# Allegro board S071AA-0413-20260427_Power3.brd (continued)
## Routing (per net, layer and track width the routed paths; a pad name or vN(x,y) marks a point on that pad's centre or on a via; arc(x,y) is an arc through that point) (continued)
; UHC230.G4_10 16.54,350.04 ; UHC230.G4_10 15.73,349.23 ; UHC230.G4_10 14.92,350.04 ; 261.89,32.21 D108.A11 ; D108.A11 261.89,33.83 ; D108.A11 261.08,33.02 ; D108.A11 262.7,33.02 ; DPS3.A15 124.73,14.78 ; DPS3.A15 125.54,13.97 ; DPS3.A15 123.92,13.97 ; DPS3.A15 124.73,13.16 ; D106.B9 256.81,79.55 ; D106.B9 256.81,77.93 ; D106.B9 256,78.74 ; D106.B9 257.62,78.74 ; D120.B16 54.42,40.64 ; D120.B16 53.61,39.83 ; D120.B16 52.8,40.64 ; D120.B16 53.61,41.45 ; D110.A2 275.4,353.06 ; D110.A2 274.59,353.87 ; D110.A2 273.78,353.06 ; D110.A2 274.59,352.25 ; 195.85,347.17 D114.B4 ; D114.B4 196.66,347.98 ; D114.B4 195.85,348.79 ; D114.B4 195.04,347.98 ; 25.67,98.25 D117.B5 ; D117.B5 26.48,99.06 ; D117.B5 24.86,99.06 ; D117.B5 25.67,99.87 ; DPS2.C05 194.12,410.21 ; DPS2.C05 192.5,410.21 ; DPS2.C05 193.31,411.02 ; DPS2.C05 193.31,409.4 ; 188.23,32.21 D104.A11 ; D104.A11 188.23,33.83 ; D104.A11 187.42,33.02 ; D104.A11 189.04,33.02 ; 96.79,367.49 D227.B14 ; D227.B14 97.6,368.3 ; D227.B14 96.79,369.11 ; D227.B14 95.98,368.3 ; 129,391.16 D228.B1 ; D228.B1 129.81,391.97 ; D228.B1 130.62,391.16 ; D228.B1 129.81,390.35 ; D120.A4 23.13,36.37 ; D120.A4 22.32,35.56 ; D120.A4 23.94,35.56 ; D120.A4 23.13,34.75 ; UHC430.G1_13 14.58,359.26 ; UHC430.G1_13 13.77,358.45 ; UHC430.G1_13 14.58,357.64 ; UHC430.G1_13 15.39,358.45 ; D102.A14 196.66,76.2 ; D102.A14 195.04,76.2 ; D102.A14 195.85,77.01 ; D102.A14 195.85,75.39 ; D112.B12 250,388.62 ; D112.B12 249.19,389.43 ; D112.B12 249.19,387.81 ; D112.B12 248.38,388.62 ; 198.39,375.11 D115.A3 ; D115.A3 198.39,376.73 ; D115.A3 197.58,375.92 ; D115.A3 199.2,375.92 ; D232.A4 48.53,394.51 ; D232.A4 47.72,393.7 ; D232.A4 49.34,393.7 ; D232.A4 48.53,392.89 ; 124.73,72.85 D122.A15 ; D122.A15 123.92,73.66 ; D122.A15 125.54,73.66 ; D122.A15 124.73,74.47 ; 48.98,350.98 UHC230.G3_6 ; UHC230.G3_6 48.98,352.6 ; UHC230.G3_6 48.17,351.79 ; UHC230.G3_6 49.79,351.79 ; D115.A15 167.91,376.73 ; D115.A15 167.91,375.11 ; D115.A15 168.72,375.92 ; D115.A15 167.1,375.92 ; D113.B5 194.12,330.2 ; D113.B5 192.5,330.2 ; D113.B5 193.31,331.01 ; D113.B5 193.31,329.39 ; 35.02,406.4 D432.A9 ; D432.A9 35.83,407.21 ; D432.A9 36.64,406.4 ; D432.A9 35.83,405.59 ; D110.B1 277.13,351.33 ; D110.B1 277.94,350.52 ; D110.B1 276.32,350.52 ; D110.B1 277.13,349.71 ; D112.B8 259.35,389.43 ; D112.B8 258.54,388.62 ; D112.B8 259.35,387.81 ; D112.B8 260.16,388.62 ; 116.3,398.78 D428.B6 ; D428.B6 117.11,397.97 ; D428.B6 117.92,398.78 ; D428.B6 117.11,399.59 ; D115.A12 175.53,374.19 ; D115.A12 176.34,373.38 ; D115.A12 174.72,373.38 ; D115.A12 175.53,372.57 ; 32.48,403.86 D432.A10 ; D432.A10 33.29,404.67 ; D432.A10 33.29,403.05 ; D432.A10 34.1,403.86 ; D120.A5 25.67,33.83 ; D120.A5 25.67,32.21 ; D120.A5 26.48,33.02 ; D120.A5 24.86,33.02 ; UHC430.G1_2 17.69,365.45 ; UHC430.G1_2 16.88,366.26 ; UHC430.G1_2 16.88,364.64 ; UHC430.G1_2 16.07,365.45 ; 20.59,329.39 CSDPS229.C15 ; CSDPS229.C15 19.78,330.2 ; CSDPS229.C15 21.4,330.2 ; CSDPS229.C15 20.59,331.01 ; 113.76,375.92 D227.A7 ; D227.A7 115.38,375.92 ; D227.A7 114.57,376.73 ; D227.A7 114.57,375.11 ; CSDPS429.B6 43.45,343.71 ; CSDPS429.B6 43.45,342.09 ; CSDPS429.B6 44.26,342.9 ; CSDPS429.B6 42.64,342.9 ; 24.86,53.34 D119.A5 ; D119.A5 26.48,53.34 ; D119.A5 25.67,52.53 ; D119.A5 25.67,54.15 ; 251.73,98.25 D105.B7 ; D105.B7 250.92,99.06 ; D105.B7 251.73,99.87 ; D105.B7 252.54,99.06 ; 111.22,60.96 D123.B10 ; D123.B10 112.03,61.77 ; D123.B10 112.03,60.15 ; D123.B10 112.84,60.96 ; 239.03,347.17 D110.B16 ; D110.B16 239.03,348.79 ; D110.B16 238.22,347.98 ; D110.B16 239.84,347.98 ; 99.33,77.93 D122.B5 ; D122.B5 98.52,78.74 ; D122.B5 99.33,79.55 ; D122.B5 100.14,78.74 ; 45.99,375.11 D231.A5 ; D231.A5 46.8,375.92 ; D231.A5 45.99,376.73 ; D231.A5 45.18,375.92 ; D432.A2 53.61,404.67 ; D432.A2 52.8,403.86 ; D432.A2 53.61,403.05 ; D432.A2 54.42,403.86 ; 103.6,58.42 D123.B7 ; D123.B7 104.41,59.23 ; D123.B7 105.22,58.42 ; D123.B7 104.41,57.61 ; 43.45,75.39 D118.A12 ; D118.A12 44.26,76.2 ; D118.A12 43.45,77.01 ; D118.A12 42.64,76.2 ; D431.A16 18.86,383.54 ; D431.A16 18.05,382.73 ; D431.A16 17.24,383.54 ; D431.A16 18.05,384.35 ; D432.A14 23.94,403.86 ; D432.A14 23.13,404.67 ; D432.A14 22.32,403.86 ; D432.A14 23.13,403.05 ; 20.59,400.51 D432.B15 ; D432.B15 19.78,401.32 ; D432.B15 20.59,402.13 ; D432.B15 21.4,401.32 ; D117.A15 51.88,93.98 ; D117.A15 51.07,94.79 ; D117.A15 51.07,93.17 ; D117.A15 50.26,93.98 ; D122.B7 105.22,78.74 ; D122.B7 104.41,79.55 ; D122.B7 104.41,77.93 ; D122.B7 103.6,78.74 ; D114.A13 172.99,356.41 ; D114.A13 172.99,354.79 ; D114.A13 173.8,355.6 ; D114.A13 172.18,355.6 ; 45.18,391.16 D232.B5 ; D232.B5 46.8,391.16 ; D232.B5 45.99,390.35 ; D232.B5 45.99,391.97 ; CSDPS429.C15 20.59,341.17 ; CSDPS429.C15 20.59,339.55 ; CSDPS429.C15 21.4,340.36 ; CSDPS429.C15 19.78,340.36 ; D228.A13 99.33,397.05 ; D228.A13 99.33,395.43 ; D228.A13 98.52,396.24 ; D228.A13 100.14,396.24 ; 101.87,392.89 D228.A12 ; D228.A12 101.87,394.51 ; D228.A12 102.68,393.7 ; D228.A12 101.06,393.7 ; 29.94,412.75 DPS8.B11 ; DPS8.B11 31.56,412.75 ; DPS8.B11 30.75,413.56 ; DPS8.B11 30.75,411.94 ; D102.A10 186.5,76.2 ; D102.A10 184.88,76.2 ; D102.A10 185.69,75.39 ; D102.A10 185.69,77.01 ; D113.B2 200.93,328.47 ; D113.B2 200.93,326.85 ; D113.B2 200.12,327.66 ; D113.B2 201.74,327.66 ; 113.76,99.06 D121.B11 ; D121.B11 115.38,99.06 ; D121.B11 114.57,98.25 ; D121.B11 114.57,99.87 ; 19.78,73.66 D118.A3 ; D118.A3 20.59,72.85 ; D118.A3 21.4,73.66 ; D118.A3 20.59,74.47 ; 104.41,72.85 D122.A7 ; D122.A7 105.22,73.66 ; D122.A7 104.41,74.47 ; D122.A7 103.6,73.66 ; 256,33.02 D108.A9 ; D108.A9 256.81,33.83 ; D108.A9 256.81,32.21 ; D108.A9 257.62,33.02 ; 197.58,396.24 D116.A3 ; D116.A3 199.2,396.24 ; D116.A3 198.39,397.05 ; D116.A3 198.39,395.43 ; 274.59,55.07 D107.A16 ; D107.A16 275.4,55.88 ; D107.A16 274.59,56.69 ; D107.A16 273.78,55.88 ; D106.B10 260.16,81.28 ; D106.B10 259.35,80.47 ; D106.B10 259.35,82.09 ; D106.B10 258.54,81.28 ; 95.98,35.56 D124.A4 ; D124.A4 96.79,34.75 ; D124.A4 96.79,36.37 ; D124.A4 97.6,35.56 ; D105.B10 260.16,101.6 ; D105.B10 259.35,102.41 ; D105.B10 258.54,101.6 ; D105.B10 259.35,100.79 ; D122.A3 95.06,73.66 ; D122.A3 93.44,73.66 ; D122.A3 94.25,72.85 ; D122.A3 94.25,74.47 ; 101.06,81.28 D122.B6 ; D122.B6 102.68,81.28 ; D122.B6 101.87,82.09 ; D122.B6 101.87,80.47 ; 190.77,80.47 D102.B12 ; D102.B12 190.77,82.09 ; D102.B12 191.58,81.28 ; D102.B12 189.96,81.28 ; D116.A14 170.45,394.51 ; D116.A14 169.64,393.7 ; D116.A14 170.45,392.89 ; D116.A14 171.26,393.7 ; D228.B2 128.08,388.62 ; D228.B2 127.27,389.43 ; D228.B2 127.27,387.81 ; D228.B2 126.46,388.62 ; 103.6,53.34 D123.A7 ; D123.A7 104.41,52.53 ; D123.A7 104.41,54.15 ; D123.A7 105.22,53.34 ; D101.A12 190.77,97.33 ; D101.A12 190.77,95.71 ; D101.A12 191.58,96.52 ; D101.A12 189.96,96.52 ; D118.A11 41.72,73.66 ; D118.A11 40.91,74.47 ; D118.A11 40.91,72.85 ; D118.A11 40.1,73.66 ; D431.A17 15.51,386.89 ; D431.A17 14.7,386.08 ; D431.A17 15.51,385.27 ; D431.A17 16.32,386.08 ; 195.85,39.83 D104.B14 ; D104.B14 195.85,41.45 ; D104.B14 195.04,40.64 ; D104.B14 196.66,40.64 ; D107.B2 239.84,60.96 ; D107.B2 239.03,61.77 ; D107.B2 238.22,60.96 ; D107.B2 239.03,60.15 ; D228.B11 104.41,391.97 ; D228.B11 105.22,391.16 ; D228.B11 104.41,390.35 ; D228.B11 103.6,391.16 ; 17.24,76.2 D118.A2 ; D118.A2 18.05,77.01 ; D118.A2 18.05,75.39 ; D118.A2 18.86,76.2 ; 198.39,32.21 D104.A15 ; D104.A15 199.2,33.02 ; D104.A15 197.58,33.02 ; D104.A15 198.39,33.83 ; 14.7,396.24 D232.A17 ; D232.A17 16.32,396.24 ; D232.A17 15.51,397.05 ; D232.A17 15.51,395.43 ; 14.58,354.48 UHC230.G4_3 ; UHC230.G4_3 13.77,355.29 ; UHC230.G4_3 14.58,356.1 ; UHC230.G4_3 15.39,355.29 ; D124.A10 112.03,36.37 ; D124.A10 112.03,34.75 ; D124.A10 111.22,35.56 ; D124.A10 112.84,35.56 ; 89.17,13.16 DPS3.A01 ; DPS3.A01 88.36,13.97 ; DPS3.A01 89.17,14.78 ; DPS3.A01 89.98,13.97 ; D119.B5 26.48,58.42 ; D119.B5 24.86,58.42 ; D119.B5 25.67,57.61 ; D119.B5 25.67,59.23 ; DPS1.B05 247.46,16.51 ; DPS1.B05 246.65,15.7 ; DPS1.B05 246.65,17.32 ; DPS1.B05 245.84,16.51 ; 48.53,403.05 D432.A4 ; D432.A4 47.72,403.86 ; D432.A4 49.34,403.86 ; D432.A4 48.53,404.67 ; 272.05,18.24 DPS1.C15 ; DPS1.C15 272.05,19.86 ; DPS1.C15 271.24,19.05 ; DPS1.C15 272.86,19.05 ; 95.98,363.22 CSDPS426.B14 ; CSDPS426.B14 97.6,363.22 ; CSDPS426.B14 96.79,364.03 ; CSDPS426.B14 96.79,362.41 ; D111.A15 241.57,376.73 ; D111.A15 240.76,375.92 ; D111.A15 242.38,375.92 ; D111.A15 241.57,375.11 ; 18.05,100.79 D117.B2 ; D117.B2 18.05,102.41 ; D117.B2 18.86,101.6 ; D117.B2 17.24,101.6 ; 169.64,368.3 D115.B14 ; D115.B14 170.45,369.11 ; D115.B14 171.26,368.3 ; D115.B14 170.45,367.49 ; 167.91,37.29 D104.B3 ; D104.B3 167.1,38.1 ; D104.B3 168.72,38.1 ; D104.B3 167.91,38.91 ; D124.A2 92.52,35.56 ; D124.A2 91.71,36.37 ; D124.A2 91.71,34.75 ; D124.A2 90.9,35.56 ; D428.B8 112.84,398.78 ; D428.B8 112.03,397.97 ; D428.B8 111.22,398.78 ; D428.B8 112.03,399.59 ; CSDPS229.B4 49.34,332.74 ; CSDPS229.B4 48.53,333.55 ; CSDPS229.B4 47.72,332.74 ; CSDPS229.B4 48.53,331.93 ; 45.99,409.4 DPS8.C05 ; DPS8.C05 45.99,411.02 ; DPS8.C05 45.18,410.21 ; DPS8.C05 46.8,410.21 ; 180.61,34.75 D104.A8 ; D104.A8 181.42,35.56 ; D104.A8 180.61,36.37 ; D104.A8 179.8,35.56 ; 55.34,401.32 D432.B1 ; D432.B1 56.15,400.51 ; D432.B1 56.96,401.32 ; D432.B1 56.15,402.13 ; 188.23,37.29 D104.B11 ; D104.B11 187.42,38.1 ; D104.B11 188.23,38.91 ; D104.B11 189.04,38.1 ; D106.B13 266.97,79.55 ; D106.B13 266.97,77.93 ; D106.B13 266.16,78.74 ; D106.B13 267.78,78.74 ; D122.B4 97.6,81.28 ; D122.B4 95.98,81.28 ; D122.B4 96.79,80.47 ; D122.B4 96.79,82.09 ; D105.A9 257.62,93.98 ; D105.A9 256,93.98 ; D105.A9 256.81,93.17 ; D105.A9 256.81,94.79 ; 165.37,347.17 D114.B16 ; D114.B16 165.37,348.79 ; D114.B16 164.56,347.98 ; D114.B16 166.18,347.98 ; 198.39,77.93 D102.B15 ; D102.B15 199.2,78.74 ; D102.B15 197.58,78.74 ; D102.B15 198.39,79.55 ; 117.11,387.81 D228.B6 ; D228.B6 117.11,389.43 ; D228.B6 116.3,388.62 ; D228.B6 117.92,388.62 ; D231.A11 30.75,376.73 ; D231.A11 31.56,375.92 ; D231.A11 30.75,375.11 ; D231.A11 29.94,375.92 ; D432.A5 45.99,407.21 ; D432.A5 45.18,406.4 ; D432.A5 45.99,405.59 ; D432.A5 46.8,406.4 ; 124.73,375.11 D227.A3 ; D227.A3 124.73,376.73 ; D227.A3 123.92,375.92 ; D227.A3 125.54,375.92 ; D117.A16 54.42,96.52 ; D117.A16 53.61,95.71 ; D117.A16 52.8,96.52 ; D117.A16 53.61,97.33 ; 261.08,73.66 D106.A11 ; D106.A11 261.89,74.47 ; D106.A11 261.89,72.85 ; D106.A11 262.7,73.66 ; 119.65,395.43 D228.A5 ; D228.A5 118.84,396.24 ; D228.A5 120.46,396.24 ; D228.A5 119.65,397.05 ; D432.B4 48.53,399.59 ; D432.B4 48.53,397.97 ; D432.B4 49.34,398.78 ; D432.B4 47.72,398.78 ; D102.A15 199.2,73.66 ; D102.A15 197.58,73.66 ; D102.A15 198.39,74.47 ; D102.A15 198.39,72.85 ; CSDPS229.B2 54.42,332.74 ; CSDPS229.B2 53.61,333.55 ; CSDPS229.B2 52.8,332.74 ; CSDPS229.B2 53.61,331.93 ; 52.8,81.28 D118.B16 ; D118.B16 53.61,82.09 ; D118.B16 54.42,81.28 ; D118.B16 53.61,80.47 ; D428.A1 129.81,407.21 ; D428.A1 129,406.4 ; D428.A1 130.62,406.4 ; D428.A1 129.81,405.59 ; D431.A15 20.59,386.89 ; D431.A15 21.4,386.08 ; D431.A15 19.78,386.08 ; D431.A15 20.59,385.27 ; D232.B7 41.72,391.16 ; D232.B7 40.1,391.16 ; D232.B7 40.91,391.97 ; D232.B7 40.91,390.35 ; 243.3,96.52 D105.A4 ; D105.A4 244.92,96.52 ; D105.A4 244.11,95.71 ; D105.A4 244.11,97.33 ; D432.B17 15.51,402.13 ; D432.B17 14.7,401.32 ; D432.B17 15.51,400.51 ; D432.B17 16.32,401.32 ; 113.76,33.02 D124.A11 ; D124.A11 114.57,33.83 ; D124.A11 114.57,32.21 ; D124.A11 115.38,33.02 ; 98.52,58.42 D123.B5 ; D123.B5 100.14,58.42 ; D123.B5 99.33,57.61 ; D123.B5 99.33,59.23 ; D119.B4 23.13,61.77 ; D119.B4 23.94,60.96 ; D119.B4 23.13,60.15 ; D119.B4 22.32,60.96 ; 47.72,378.46 D431.B4 ; D431.B4 48.53,379.27 ; D431.B4 48.53,377.65 ; D431.B4 49.34,378.46 ; 167.1,396.24 D116.A15 ; D116.A15 167.91,395.43 ; D116.A15 168.72,396.24 ; D116.A15 167.91,397.05 ; D102.A5 172.99,74.47 ; D102.A5 173.8,73.66 ; D102.A5 172.18,73.66 ; D102.A5 172.99,72.85 ; 44.72,353.54 UHC230.G3_5 ; UHC230.G3_5 45.53,352.73 ; UHC230.G3_5 45.53,354.35 ; UHC230.G3_5 46.34,353.54 ; 272.05,370.03 D111.B3 ; D111.B3 272.86,370.84 ; D111.B3 272.05,371.65 ; D111.B3 271.24,370.84 ; 101.87,362.41 CSDPS426.B12 ; CSDPS426.B12 102.68,363.22 ; CSDPS426.B12 101.87,364.03 ; CSDPS426.B12 101.06,363.22 ; 179.8,327.66 D113.B10 ; D113.B10 180.61,326.85 ; D113.B10 180.61,328.47 ; D113.B10 181.42,327.66 ; 20.59,37.29 D120.B3 ; D120.B3 19.78,38.1 ; D120.B3 20.59,38.91 ; D120.B3 21.4,38.1 ; 27.4,96.52 D117.A6 ; D117.A6 28.21,97.33 ; D117.A6 28.21,95.71 ; D117.A6 29.02,96.52 ; D102.B14 195.85,82.09 ; D102.B14 195.04,81.28 ; D102.B14 196.66,81.28 ; D102.B14 195.85,80.47 ; 106.95,397.97 D428.B10 ; D428.B10 106.14,398.78 ; D428.B10 107.76,398.78 ; D428.B10 106.95,399.59 ; DPS8.C15 21.4,410.21 ; DPS8.C15 19.78,410.21 ; DPS8.C15 20.59,409.4 ; DPS8.C15 20.59,411.02 ; 200.93,39.83 D104.B16 ; D104.B16 200.93,41.45 ; D104.B16 201.74,40.64 ; D104.B16 200.12,40.64 ; D117.B3 20.59,99.87 ; D117.B3 19.78,99.06 ; D117.B3 20.59,98.25 ; D117.B3 21.4,99.06 ; 114.57,380.19 D427.B7 ; D427.B7 115.38,381 ; D427.B7 114.57,381.81 ; D427.B7 113.76,381 ; 90.9,363.22 CSDPS426.B16 ; CSDPS426.B16 91.71,364.03 ; CSDPS426.B16 91.71,362.41 ; CSDPS426.B16 92.52,363.22 ; 30.75,98.25 D117.B7 ; D117.B7 31.56,99.06 ; D117.B7 29.94,99.06 ; D117.B7 30.75,99.87 ; D228.A4 123,393.7 ; D228.A4 121.38,393.7 ; D228.A4 122.19,392.89 ; D228.A4 122.19,394.51 ; 266.16,350.52 D110.B5 ; D110.B5 266.97,351.33 ; D110.B5 267.78,350.52 ; D110.B5 266.97,349.71 ; 180.61,39.83 D104.B8 ; D104.B8 179.8,40.64 ; D104.B8 181.42,40.64 ; D104.B8 180.61,41.45 ; D124.B15 125.54,38.1 ; D124.B15 124.73,37.29 ; D124.B15 123.92,38.1 ; D124.B15 124.73,38.91 ; D122.A11 114.57,74.47 ; D122.A11 113.76,73.66 ; D122.A11 114.57,72.85 ; D122.A11 115.38,73.66 ; D228.B4 123,388.62 ; D228.B4 122.19,389.43 ; D228.B4 121.38,388.62 ; D228.B4 122.19,387.81 ; D113.B16 165.37,328.47 ; D113.B16 166.18,327.66 ; D113.B16 165.37,326.85 ; D113.B16 164.56,327.66 ; D431.B6 43.45,379.27 ; D431.B6 44.26,378.46 ; D431.B6 43.45,377.65 ; D431.B6 42.64,378.46 ; 170.45,347.17 D114.B14 ; D114.B14 170.45,348.79 ; D114.B14 169.64,347.98 ; D114.B14 171.26,347.98 ; D232.B15 20.59,391.97 ; D232.B15 21.4,391.16 ; D232.B15 19.78,391.16 ; D232.B15 20.59,390.35 ; 42.64,96.52 D117.A12 ; D117.A12 44.26,96.52 ; D117.A12 43.45,95.71 ; D117.A12 43.45,97.33 ; D103.B13 194.12,58.42 ; D103.B13 192.5,58.42 ; D103.B13 193.31,59.23 ; D103.B13 193.31,57.61 ; D432.B8 38.37,399.59 ; D432.B8 38.37,397.97 ; D432.B8 39.18,398.78 ; D432.B8 37.56,398.78 ; 96.79,382.73 D427.A14 ; D427.A14 97.6,383.54 ; D427.A14 96.79,384.35 ; D427.A14 95.98,383.54 ; UHC430.G2_2 47.49,365.45 ; UHC430.G2_2 46.68,366.26 ; UHC430.G2_2 46.68,364.64 ; UHC430.G2_2 45.87,365.45 ; D117.A7 31.56,93.98 ; D117.A7 29.94,93.98 ; D117.A7 30.75,93.17 ; D117.A7 30.75,94.79 ; 269.51,100.79 D105.B14 ; D105.B14 270.32,101.6 ; D105.B14 269.51,102.41 ; D105.B14 268.7,101.6 ; 185.69,55.07 D103.A10 ; D103.A10 184.88,55.88 ; D103.A10 185.69,56.69 ; D103.A10 186.5,55.88 ; 88.36,73.66 D122.A1 ; D122.A1 89.17,74.47 ; D122.A1 89.17,72.85 ; D122.A1 89.98,73.66 ; D432.B3 51.88,401.32 ; D432.B3 50.26,401.32 ; D432.B3 51.07,400.51 ; D432.B3 51.07,402.13 ; 22.32,342.9 CSDPS429.B14 ; CSDPS429.B14 23.13,343.71 ; CSDPS429.B14 23.94,342.9 ; CSDPS429.B14 23.13,342.09 ; D106.A12 264.43,77.01 ; D106.A12 264.43,75.39 ; D106.A12 265.24,76.2 ; D106.A12 263.62,76.2 ; 187.42,99.06 D101.B11 ; D101.B11 189.04,99.06 ; D101.B11 188.23,98.25 ; D101.B11 188.23,99.87 ; 35.02,93.98 D117.A9 ; D117.A9 36.64,93.98 ; D117.A9 35.83,93.17 ; D117.A9 35.83,94.79 ; 200.12,332.74 D113.A2 ; D113.A2 201.74,332.74 ; D113.A2 200.93,331.93 ; D113.A2 200.93,333.55 ; D124.B11 115.38,38.1 ; D124.B11 113.76,38.1 ; D124.B11 114.57,38.91 ; D124.B11 114.57,37.29 ; D101.A8 181.42,96.52 ; D101.A8 180.61,97.33 ; D101.A8 179.8,96.52 ; D101.A8 180.61,95.71 ; 28.21,367.49 D231.B12 ; D231.B12 29.02,368.3 ; D231.B12 28.21,369.11 ; D231.B12 27.4,368.3 ; D114.A15 168.72,355.6 ; D114.A15 167.91,354.79 ; D114.A15 167.1,355.6 ; D114.A15 167.91,356.41 ; D103.B3 168.72,58.42 ; D103.B3 167.1,58.42 ; D103.B3 167.91,57.61 ; D103.B3 167.91,59.23 ; 197.58,330.2 D113.B3 ; D113.B3 199.2,330.2 ; D113.B3 198.39,329.39 ; D113.B3 198.39,331.01 ; D114.B2 201.74,347.98 ; D114.B2 200.93,347.17 ; D114.B2 200.93,348.79 ; D114.B2 200.12,347.98 ; D122.B1 89.17,79.55 ; D122.B1 89.98,78.74 ; D122.B1 89.17,77.93 ; D122.B1 88.36,78.74 ; D427.A10 107.76,383.54 ; D427.A10 106.95,382.73 ; D427.A10 106.14,383.54 ; D427.A10 106.95,384.35 ; 256.81,395.43 D112.A9 ; D112.A9 256,396.24 ; D112.A9 257.62,396.24 ; D112.A9 256.81,397.05 ; D432.B5 46.8,401.32 ; D432.B5 45.99,400.51 ; D432.B5 45.18,401.32 ; D432.B5 45.99,402.13 ; D109.A5 266.97,336.09 ; D109.A5 266.16,335.28 ; D109.A5 267.78,335.28 ; D109.A5 266.97,334.47 ; 250.92,33.02 D108.A7 ; D108.A7 251.73,32.21 ; D108.A7 251.73,33.83 ; D108.A7 252.54,33.02 ; D232.B4 49.34,388.62 ; D232.B4 48.53,389.43 ; D232.B4 48.53,387.81 ; D232.B4 47.72,388.62 ; 112.03,80.47 D122.B10 ; D122.B10 112.84,81.28 ; D122.B10 112.03,82.09 ; D122.B10 111.22,81.28 ; D103.A1 162.83,54.15 ; D103.A1 162.02,53.34 ; D103.A1 162.83,52.53 ; D103.A1 163.64,53.34 ; 256.81,334.47 D109.A9 ; D109.A9 257.62,335.28 ; D109.A9 256,335.28 ; D109.A9 256.81,336.09 ; DPS3.B11 115.38,16.51 ; DPS3.B11 113.76,16.51 ; DPS3.B11 114.57,17.32 ; DPS3.B11 114.57,15.7 ; D228.A3 124.73,397.05 ; D228.A3 124.73,395.43 ; D228.A3 123.92,396.24 ; D228.A3 125.54,396.24 ; 32.48,378.46 D431.B10 ; D431.B10 33.29,377.65 ; D431.B10 34.1,378.46 ; D431.B10 33.29,379.27 ; D121.B4 96.79,102.41 ; D121.B4 97.6,101.6 ; D121.B4 95.98,101.6 ; D121.B4 96.79,100.79 ; 40.91,370.03 D231.B7 ; D231.B7 40.1,370.84 ; D231.B7 40.91,371.65 ; D231.B7 41.72,370.84 ; 56.15,411.94 DPS8.B01 ; DPS8.B01 56.15,413.56 ; DPS8.B01 56.96,412.75 ; DPS8.B01 55.34,412.75 ; 178.07,37.29 D104.B7 ; D104.B7 177.26,38.1 ; D104.B7 178.88,38.1 ; D104.B7 178.07,38.91 ; 99.33,32.21 D124.A5 ; D124.A5 98.52,33.02 ; D124.A5 100.14,33.02 ; D124.A5 99.33,33.83 ; 50.26,370.84 D231.B3 ; D231.B3 51.07,370.03 ; D231.B3 51.88,370.84 ; D231.B3 51.07,371.65 ; 121.38,342.9 CSDPS425.B4 ; CSDPS425.B4 122.19,343.71 ; CSDPS425.B4 122.19,342.09 ; CSDPS425.B4 123,342.9 ; 244.11,347.17 D110.B14 ; D110.B14 244.11,348.79 ; D110.B14 243.3,347.98 ; D110.B14 244.92,347.98 ; D109.A3 272.05,336.09 ; D109.A3 272.86,335.28 ; D109.A3 272.05,334.47 ; D109.A3 271.24,335.28 ; D113.B12 176.34,327.66 ; D113.B12 175.53,326.85 ; D113.B12 175.53,328.47 ; D113.B12 174.72,327.66 ; 261.08,38.1 D108.B11 ; D108.B11 262.7,38.1 ; D108.B11 261.89,37.29 ; D108.B11 261.89,38.91 ; 177.26,412.75 DPS2.B11 ; DPS2.B11 178.88,412.75 ; DPS2.B11 178.07,413.56 ; DPS2.B11 178.07,411.94 ; 99.33,380.19 D427.B13 ; D427.B13 98.52,381 ; D427.B13 99.33,381.81 ; D427.B13 100.14,381 ; D119.B13 45.99,59.23 ; D119.B13 45.18,58.42 ; D119.B13 46.8,58.42 ; D119.B13 45.99,57.61 ; D110.A7 261.89,356.41 ; D110.A7 261.08,355.6 ; D110.A7 262.7,355.6 ; D110.A7 261.89,354.79 ; 117.11,55.07 D123.A12 ; D123.A12 116.3,55.88 ; D123.A12 117.11,56.69 ; D123.A12 117.92,55.88 ; D103.B9 183.15,59.23 ; D103.B9 182.34,58.42 ; D103.B9 183.96,58.42 ; D103.B9 183.15,57.61 ; 32.48,55.88 D119.A8 ; D119.A8 34.1,55.88 ; D119.A8 33.29,56.69 ; D119.A8 33.29,55.07 ; CSDPS426.B4 123,363.22 ; CSDPS426.B4 122.19,364.03 ; CSDPS426.B4 121.38,363.22 ; CSDPS426.B4 122.19,362.41 ; 164.56,40.64 D104.B2 ; D104.B2 165.37,41.45 ; D104.B2 166.18,40.64 ; D104.B2 165.37,39.83 ; 172.99,77.93 D102.B5 ; D102.B5 172.18,78.74 ; D102.B5 173.8,78.74 ; D102.B5 172.99,79.55 ; 241.57,98.25 D105.B3 ; D105.B3 241.57,99.87 ; D105.B3 242.38,99.06 ; D105.B3 240.76,99.06 ; 45.18,53.34 D119.A13 ; D119.A13 46.8,53.34 ; D119.A13 45.99,54.15 ; D119.A13 45.99,52.53 ; D113.B14 170.45,328.47 ; D113.B14 171.26,327.66 ; D113.B14 169.64,327.66 ; D113.B14 170.45,326.85 ; 99.33,359.87 CSDPS426.C13 ; CSDPS426.C13 100.14,360.68 ; CSDPS426.C13 98.52,360.68 ; CSDPS426.C13 99.33,361.49 ; D228.A2 128.08,393.7 ; D228.A2 126.46,393.7 ; D228.A2 127.27,392.89 ; D228.A2 127.27,394.51 ; DPS2.B05 193.31,413.56 ; DPS2.B05 192.5,412.75 ; DPS2.B05 194.12,412.75 ; DPS2.B05 193.31,411.94 ; D108.A6 250,35.56 ; D108.A6 248.38,35.56 ; D108.A6 249.19,36.37 ; D108.A6 249.19,34.75 ; 266.16,93.98 D105.A13 ; D105.A13 266.97,93.17 ; D105.A13 267.78,93.98 ; D105.A13 266.97,94.79 ; D119.A2 18.05,56.69 ; D119.A2 17.24,55.88 ; D119.A2 18.86,55.88 ; D119.A2 18.05,55.07 ; D123.B14 122.19,61.77 ; D123.B14 123,60.96 ; D123.B14 121.38,60.96 ; D123.B14 122.19,60.15 ; D113.A9 183.96,335.28 ; D113.A9 183.15,336.09 ; D113.A9 182.34,335.28 ; D113.A9 183.15,334.47 ; D121.A10 112.84,96.52 ; D121.A10 111.22,96.52 ; D121.A10 112.03,97.33 ; D121.A10 112.03,95.71 ; D120.B10 39.18,40.64 ; D120.B10 37.56,40.64 ; D120.B10 38.37,39.83 ; D120.B10 38.37,41.45 ; 167.91,334.47 D113.A15 ; D113.A15 167.91,336.09 ; D113.A15 168.72,335.28 ; D113.A15 167.1,335.28 ; 52.8,378.46 D431.B2 ; D431.B2 53.61,377.65 ; D431.B2 53.61,379.27 ; D431.B2 54.42,378.46 ; 246.65,354.79 D110.A13 ; D110.A13 246.65,356.41 ; D110.A13 245.84,355.6 ; D110.A13 247.46,355.6 ; DPS1.B11 262.7,16.51 ; DPS1.B11 261.08,16.51 ; DPS1.B11 261.89,15.7 ; DPS1.B11 261.89,17.32 ; 48.98,357.64 UHC430.G2_11 ; UHC430.G2_11 48.17,358.45 ; UHC430.G2_11 49.79,358.45 ; UHC430.G2_11 48.98,359.26 ; D123.A6 101.87,56.69 ; D123.A6 101.06,55.88 ; D123.A6 101.87,55.07 ; D123.A6 102.68,55.88 ; D228.B16 91.71,389.43 ; D228.B16 92.52,388.62 ; D228.B16 91.71,387.81 ; D228.B16 90.9,388.62 ; 15.73,359.39 UHC430.G1_10 ; UHC430.G1_10 15.73,361.01 ; UHC430.G1_10 14.92,360.2 ; UHC430.G1_10 16.54,360.2 ; 17.24,398.78 D432.B16 ; D432.B16 18.05,397.97 ; D432.B16 18.05,399.59 ; D432.B16 18.86,398.78 ; 197.58,391.16 D116.B3 ; D116.B3 198.39,391.97 ; D116.B3 198.39,390.35 ; D116.B3 199.2,391.16 ; 48.98,354.48 UHC230.G3_1 ; UHC230.G3_1 48.98,356.1 ; UHC230.G3_1 48.17,355.29 ; UHC230.G3_1 49.79,355.29 ; CSDPS225.C1 129.81,331.01 ; CSDPS225.C1 129,330.2 ; CSDPS225.C1 129.81,329.39 ; CSDPS225.C1 130.62,330.2 ; 165.37,34.75 D104.A2 ; D104.A2 166.18,35.56 ; D104.A2 164.56,35.56 ; D104.A2 165.37,36.37 ; 250.92,73.66 D106.A7 ; D106.A7 251.73,72.85 ; D106.A7 252.54,73.66 ; D106.A7 251.73,74.47 ; DPS3.B05 100.14,16.51 ; DPS3.B05 98.52,16.51 ; DPS3.B05 99.33,15.7 ; DPS3.B05 99.33,17.32 ; 116.3,101.6 D121.B12 ; D121.B12 117.92,101.6 ; D121.B12 117.11,100.79 ; D121.B12 117.11,102.41 ; 178.07,72.85 D102.A7 ; D102.A7 177.26,73.66 ; D102.A7 178.07,74.47 ; D102.A7 178.88,73.66 ; 118.84,370.84 D227.B5 ; D227.B5 119.65,370.03 ; D227.B5 120.46,370.84 ; D227.B5 119.65,371.65 ; D115.B10 180.61,369.11 ; D115.B10 180.61,367.49 ; D115.B10 179.8,368.3 ; D115.B10 181.42,368.3 ; 266.16,330.2 D109.B5 ; D109.B5 266.97,329.39 ; D109.B5 266.97,331.01 ; D109.B5 267.78,330.2 ; D228.B7 115.38,391.16 ; D228.B7 114.57,390.35 ; D228.B7 114.57,391.97 ; D228.B7 113.76,391.16 ; D117.A1 15.51,94.79 ; D117.A1 16.32,93.98 ; D117.A1 14.7,93.98 ; D117.A1 15.51,93.17 ; D119.A6 28.21,56.69 ; D119.A6 29.02,55.88 ; D119.A6 28.21,55.07 ; D119.A6 27.4,55.88 ; 45.87,361.95 UHC430.G2 ; UHC430.G2 46.68,361.14 ; UHC430.G2 47.49,361.95 ; UHC430.G2 46.68,362.76 ; 179.8,60.96 D103.B8 ; D103.B8 180.61,61.77 ; D103.B8 181.42,60.96 ; D103.B8 180.61,60.15 ; 178.07,354.79 D114.A11 ; D114.A11 178.88,355.6 ; D114.A11 177.26,355.6 ; D114.A11 178.07,356.41 ; D112.A16 239.03,394.51 ; D112.A16 238.22,393.7 ; D112.A16 239.84,393.7 ; D112.A16 239.03,392.89 ; 42.64,383.54 D431.A6 ; D431.A6 44.26,383.54 ; D431.A6 43.45,382.73 ; D431.A6 43.45,384.35 ; 93.44,350.52 CSDPS226.C15 ; CSDPS226.C15 94.25,351.33 ; CSDPS226.C15 94.25,349.71 ; CSDPS226.C15 95.06,350.52 ; D104.A5 173.8,33.02 ; D104.A5 172.99,33.83 ; D104.A5 172.18,33.02 ; D104.A5 172.99,32.21 ; 98.52,38.1 D124.B5 ; D124.B5 99.33,37.29 ; D124.B5 100.14,38.1 ; D124.B5 99.33,38.91 ; D124.B1 89.17,38.91 ; D124.B1 88.36,38.1 ; D124.B1 89.17,37.29 ; D124.B1 89.98,38.1 ; CSDPS429.B16 18.05,343.71 ; CSDPS429.B16 17.24,342.9 ; CSDPS429.B16 18.05,342.09 ; CSDPS429.B16 18.86,342.9 ; D231.B9 36.64,370.84 ; D231.B9 35.02,370.84 ; D231.B9 35.83,371.65 ; D231.B9 35.83,370.03 ; 40.91,37.29 D120.B11 ; D120.B11 40.1,38.1 ; D120.B11 41.72,38.1 ; D120.B11 40.91,38.91 ; D111.B4 269.51,369.11 ; D111.B4 269.51,367.49 ; D111.B4 270.32,368.3 ; D111.B4 268.7,368.3 ; 109.49,32.21 D124.A9 ; D124.A9 108.68,33.02 ; D124.A9 109.49,33.83 ; D124.A9 110.3,33.02 ; D120.A1 16.32,33.02 ; D120.A1 15.51,32.21 ; D120.A1 14.7,33.02 ; D120.A1 15.51,33.83 ; 98.52,401.32 D428.B13 ; D428.B13 100.14,401.32 ; D428.B13 99.33,400.51 ; D428.B13 99.33,402.13 ; 269.51,39.83 D108.B14 ; D108.B14 269.51,41.45 ; D108.B14 270.32,40.64 ; D108.B14 268.7,40.64 ; D103.B14 196.66,60.96 ; D103.B14 195.85,61.77 ; D103.B14 195.04,60.96 ; D103.B14 195.85,60.15 ; 248.38,81.28 D106.B6 ; D106.B6 249.19,82.09 ; D106.B6 249.19,80.47 ; D106.B6 250,81.28 ; 45.18,386.08 D431.A5 ; D431.A5 45.99,385.27 ; D431.A5 45.99,386.89 ; D431.A5 46.8,386.08 ; 172.99,98.25 D101.B5 ; D101.B5 172.18,99.06 ; D101.B5 173.8,99.06 ; D101.B5 172.99,99.87 ; CSDPS226.C1 130.62,350.52 ; CSDPS226.C1 129,350.52 ; CSDPS226.C1 129.81,351.33 ; CSDPS226.C1 129.81,349.71 ; D103.A4 170.45,56.69 ; D103.A4 169.64,55.88 ; D103.A4 170.45,55.07 ; D103.A4 171.26,55.88 ; D121.A13 119.65,94.79 ; D121.A13 119.65,93.17 ; D121.A13 120.46,93.98 ; D121.A13 118.84,93.98 ; 101.06,96.52 D121.A6 ; D121.A6 101.87,97.33 ; D121.A6 101.87,95.71 ; D121.A6 102.68,96.52 ; D115.B16 166.18,368.3 ; D115.B16 165.37,369.11 ; D115.B16 164.56,368.3 ; D115.B16 165.37,367.49 ; 244.11,352.25 D110.A14 ; D110.A14 243.3,353.06 ; D110.A14 244.92,353.06 ; D110.A14 244.11,353.87 ; D113.A8 186.5,332.74 ; D113.A8 185.69,333.55 ; D113.A8 184.88,332.74 ; D113.A8 185.69,331.93 ; CSDPS225.B10 107.76,332.74 ; CSDPS225.B10 106.95,331.93 ; CSDPS225.B10 106.95,333.55 ; CSDPS225.B10 106.14,332.74 ; D117.A14 49.34,96.52 ; D117.A14 48.53,97.33 ; D117.A14 47.72,96.52 ; D117.A14 48.53,95.71 ; 35.83,98.25 D117.B9 ; D117.B9 36.64,99.06 ; D117.B9 35.83,99.87 ; D117.B9 35.02,99.06 ; 15.51,405.59 D432.A17 ; D432.A17 15.51,407.21 ; D432.A17 14.7,406.4 ; D432.A17 16.32,406.4 ; 17.24,60.96 D119.B2 ; D119.B2 18.05,61.77 ; D119.B2 18.86,60.96 ; D119.B2 18.05,60.15 ; 172.99,395.43 D116.A13 ; D116.A13 173.8,396.24 ; D116.A13 172.18,396.24 ; D116.A13 172.99,397.05 ; UHC230.G3_10 46.34,350.04 ; UHC230.G3_10 45.53,349.23 ; UHC230.G3_10 45.53,350.85 ; UHC230.G3_10 44.72,350.04 ; D112.A7 262.7,396.24 ; D112.A7 261.08,396.24 ; D112.A7 261.89,395.43 ; D112.A7 261.89,397.05 ; D111.A3 272.05,376.73 ; D111.A3 272.05,375.11 ; D111.A3 271.24,375.92 ; D111.A3 272.86,375.92 ; D118.A13 45.99,74.47 ; D118.A13 45.18,73.66 ; D118.A13 45.99,72.85 ; D118.A13 46.8,73.66 ; 236.49,37.29 D108.B1 ; D108.B1 235.68,38.1 ; D108.B1 237.3,38.1 ; D108.B1 236.49,38.91 ; 241.57,349.71 D110.B15 ; D110.B15 241.57,351.33 ; D110.B15 240.76,350.52 ; D110.B15 242.38,350.52 ; 117.11,39.83 D124.B12 ; D124.B12 116.3,40.64 ; D124.B12 117.11,41.45 ; D124.B12 117.92,40.64 ; 118.84,375.92 D227.A5 ; D227.A5 119.65,375.11 ; D227.A5 120.46,375.92 ; D227.A5 119.65,376.73 ; D122.B14 122.19,82.09 ; D122.B14 123,81.28 ; D122.B14 121.38,81.28 ; D122.B14 122.19,80.47 ; 276.32,370.84 D111.B1 ; D111.B1 277.94,370.84 ; D111.B1 277.13,370.03 ; D111.B1 277.13,371.65 ; 243.3,388.62 D112.B14 ; D112.B14 244.11,387.81 ; D112.B14 244.92,388.62 ; D112.B14 244.11,389.43 ; CSDPS425.B8 112.03,343.71 ; CSDPS425.B8 112.84,342.9 ; CSDPS425.B8 112.03,342.09 ; CSDPS425.B8 111.22,342.9 ; D123.A13 120.46,53.34 ; D123.A13 118.84,53.34 ; D123.A13 119.65,54.15 ; D123.A13 119.65,52.53 ; D428.A14 97.6,403.86 ; D428.A14 96.79,403.05 ; D428.A14 96.79,404.67 ; D428.A14 95.98,403.86 ; D121.A4 97.6,96.52 ; D121.A4 96.79,95.71 ; D121.A4 96.79,97.33 ; D121.A4 95.98,96.52 ; D109.B9 256.81,331.01 ; D109.B9 256.81,329.39 ; D109.B9 256,330.2 ; D109.B9 257.62,330.2 ; D227.A1 129.81,376.73 ; D227.A1 129.81,375.11 ; D227.A1 130.62,375.92 ; D227.A1 129,375.92 ; 236.49,13.16 DPS1.A01 ; DPS1.A01 235.68,13.97 ; DPS1.A01 237.3,13.97 ; DPS1.A01 236.49,14.78 ; D231.A9 35.83,376.73 ; D231.A9 35.83,375.11 ; D231.A9 36.64,375.92 ; D231.A9 35.02,375.92 ; D431.A9 35.83,386.89 ; D431.A9 35.02,386.08 ; D431.A9 36.64,386.08 ; D431.A9 35.83,385.27 ; D115.A14 171.26,373.38 ; D115.A14 169.64,373.38 ; D115.A14 170.45,372.57 ; D115.A14 170.45,374.19 ; D120.A9 35.83,33.83 ; D120.A9 36.64,33.02 ; D120.A9 35.02,33.02 ; D120.A9 35.83,32.21 ; 45.18,93.98 D117.A13 ; D117.A13 45.99,93.17 ; D117.A13 45.99,94.79 ; D117.A13 46.8,93.98 ; D105.A10 260.16,96.52 ; D105.A10 259.35,97.33 ; D105.A10 259.35,95.71 ; D105.A10 258.54,96.52 ; 42.64,368.3 D231.B6 ; D231.B6 43.45,369.11 ; D231.B6 44.26,368.3 ; D231.B6 43.45,367.49 ; 43.57,351.79 UHC230.G3_8 ; UHC230.G3_8 45.19,351.79 ; UHC230.G3_8 44.38,352.6 ; UHC230.G3_8 44.38,350.98 ; 249.19,347.17 D110.B12 ; D110.B12 250,347.98 ; D110.B12 249.19,348.79 ; D110.B12 248.38,347.98 ; D120.A10 38.37,36.37 ; D120.A10 37.56,35.56 ; D120.A10 38.37,34.75 ; D120.A10 39.18,35.56 ; 89.17,400.51 D428.B17 ; D428.B17 88.36,401.32 ; D428.B17 89.17,402.13 ; D428.B17 89.98,401.32 ; D232.A2 54.42,393.7 ; D232.A2 53.61,392.89 ; D232.A2 53.61,394.51 ; D232.A2 52.8,393.7 ; D116.A5 194.12,396.24 ; D116.A5 193.31,395.43 ; D116.A5 193.31,397.05 ; D116.A5 192.5,396.24 ; CSDPS229.B10 34.1,332.74 ; CSDPS229.B10 33.29,331.93 ; CSDPS229.B10 32.48,332.74 ; CSDPS229.B10 33.29,333.55 ; DPS1.B01 236.49,17.32 ; DPS1.B01 236.49,15.7 ; DPS1.B01 237.3,16.51 ; DPS1.B01 235.68,16.51 ; 167.1,410.21 DPS2.C15 ; DPS2.C15 167.91,411.02 ; DPS2.C15 168.72,410.21 ; DPS2.C15 167.91,409.4 ; D228.B3 124.73,391.97 ; D228.B3 125.54,391.16 ; D228.B3 124.73,390.35 ; D228.B3 123.92,391.16 ; 254.27,75.39 D106.A8 ; D106.A8 254.27,77.01 ; D106.A8 255.08,76.2 ; D106.A8 253.46,76.2 ; D227.A8 112.03,374.19 ; D227.A8 111.22,373.38 ; D227.A8 112.03,372.57 ; D227.A8 112.84,373.38 ; 89.17,390.35 D228.B17 ; D228.B17 89.17,391.97 ; D228.B17 89.98,391.16 ; D228.B17 88.36,391.16 ; 263.62,353.06 D110.A6 ; D110.A6 265.24,353.06 ; D110.A6 264.43,352.25 ; D110.A6 264.43,353.87 ; D227.A2 128.08,373.38 ; D227.A2 127.27,372.57 ; D227.A2 127.27,374.19 ; D227.A2 126.46,373.38 ; D111.B2 275.4,368.3 ; D111.B2 274.59,369.11 ; D111.B2 274.59,367.49 ; D111.B2 273.78,368.3 ; 32.48,383.54 D431.A10 ; D431.A10 33.29,382.73 ; D431.A10 34.1,383.54 ; D431.A10 33.29,384.35 ; 192.5,73.66 D102.A13 ; D102.A13 194.12,73.66 ; D102.A13 193.31,74.47 ; D102.A13 193.31,72.85 ; D108.A13 266.97,33.83 ; D108.A13 266.16,33.02 ; D108.A13 267.78,33.02 ; D108.A13 266.97,32.21 ; D103.B7 178.88,58.42 ; D103.B7 177.26,58.42 ; D103.B7 178.07,57.61 ; D103.B7 178.07,59.23 ; CSDPS426.B6 117.92,363.22 ; CSDPS426.B6 117.11,362.41 ; CSDPS426.B6 117.11,364.03 ; CSDPS426.B6 116.3,363.22 ; D106.A13 267.78,73.66 ; D106.A13 266.97,72.85 ; D106.A13 266.97,74.47 ; D106.A13 266.16,73.66 ; 91.71,80.47 D122.B2 ; D122.B2 91.71,82.09 ; D122.B2 90.9,81.28 ; D122.B2 92.52,81.28 ; 273.78,96.52 D105.A16 ; D105.A16 275.4,96.52 ; D105.A16 274.59,95.71 ; D105.A16 274.59,97.33 ; 164.56,373.38 D115.A16 ; D115.A16 166.18,373.38 ; D115.A16 165.37,372.57 ; D115.A16 165.37,374.19 ; 124.73,98.25 D121.B15 ; D121.B15 125.54,99.06 ; D121.B15 124.73,99.87 ; D121.B15 123.92,99.06 ; D116.A11 178.07,397.05 ; D116.A11 177.26,396.24 ; D116.A11 178.88,396.24 ; D116.A11 178.07,395.43 ; 42.64,35.56 D120.A12 ; D120.A12 43.45,36.37 ; D120.A12 43.45,34.75 ; D120.A12 44.26,35.56 ; 18.03,349.23 UHC230.G4_9 ; UHC230.G4_9 17.22,350.04 ; UHC230.G4_9 18.03,350.85 ; UHC230.G4_9 18.84,350.04 ; D104.B13 193.31,38.91 ; D104.B13 192.5,38.1 ; D104.B13 193.31,37.29 ; D104.B13 194.12,38.1 ; 116.3,81.28 D122.B12 ; D122.B12 117.92,81.28 ; D122.B12 117.11,82.09 ; D122.B12 117.11,80.47 ; 162.83,77.93 D102.B1 ; D102.B1 163.64,78.74 ; D102.B1 162.83,79.55 ; D102.B1 162.02,78.74 ; 195.85,372.57 D115.A4 ; D115.A4 195.85,374.19 ; D115.A4 196.66,373.38 ; D115.A4 195.04,373.38 ; 266.97,37.29 D108.B13 ; D108.B13 266.16,38.1 ; D108.B13 266.97,38.91 ; D108.B13 267.78,38.1 ; 101.06,383.54 D427.A12 ; D427.A12 101.87,384.35 ; D427.A12 101.87,382.73 ; D427.A12 102.68,383.54 ; D106.A3 241.57,74.47 ; D106.A3 240.76,73.66 ; D106.A3 241.57,72.85 ; D106.A3 242.38,73.66 ; D123.A8 107.76,55.88 ; D123.A8 106.95,56.69 ; D123.A8 106.95,55.07 ; D123.A8 106.14,55.88 ; D111.B8 259.35,369.11 ; D111.B8 259.35,367.49 ; D111.B8 260.16,368.3 ; D111.B8 258.54,368.3 ; 25.67,339.55 CSDPS429.C13 ; CSDPS429.C13 25.67,341.17 ; CSDPS429.C13 26.48,340.36 ; CSDPS429.C13 24.86,340.36 ; 106.14,101.6 D121.B8 ; D121.B8 107.76,101.6 ; D121.B8 106.95,102.41 ; D121.B8 106.95,100.79 ; DPS1.A15 272.05,14.78 ; DPS1.A15 272.05,13.16 ; DPS1.A15 272.86,13.97 ; DPS1.A15 271.24,13.97 ; D110.A9 256.81,356.41 ; D110.A9 256,355.6 ; D110.A9 256.81,354.79 ; D110.A9 257.62,355.6 ; 90.9,378.46 D427.B16 ; D427.B16 91.71,379.27 ; D427.B16 92.52,378.46 ; D427.B16 91.71,377.65 ; 33.29,60.15 D119.B8 ; D119.B8 33.29,61.77 ; D119.B8 34.1,60.96 ; D119.B8 32.48,60.96 ; D107.A11 261.89,54.15 ; D107.A11 262.7,53.34 ; D107.A11 261.08,53.34 ; D107.A11 261.89,52.53 ; 22.32,96.52 D117.A4 ; D117.A4 23.13,95.71 ; D117.A4 23.13,97.33 ; D117.A4 23.94,96.52 ; D109.A12 250,332.74 ; D109.A12 248.38,332.74 ; D109.A12 249.19,331.93 ; D109.A12 249.19,333.55 ; 96.79,55.07 D123.A4 ; D123.A4 95.98,55.88 ; D123.A4 97.6,55.88 ; D123.A4 96.79,56.69 ; D427.A8 112.84,383.54 ; D427.A8 111.22,383.54 ; D427.A8 112.03,382.73 ; D427.A8 112.03,384.35 ; 162.83,98.25 D101.B1 ; D101.B1 163.64,99.06 ; D101.B1 162.83,99.87 ; D114.A1 203.47,356.41 ; D114.A1 203.47,354.79 ; D114.A1 204.28,355.6 ; D114.A1 202.66,355.6 ; 246.65,98.25 D105.B5 ; D105.B5 246.65,99.87 ; D105.B5 247.46,99.06 ; D105.B5 245.84,99.06 ; 124.73,77.93 D122.B15 ; D122.B15 125.54,78.74 ; D122.B15 124.73,79.55 ; D122.B15 123.92,78.74 ; 122.19,75.39 D122.A14 ; D122.A14 122.19,77.01 ; D122.A14 121.38,76.2 ; D122.A14 123,76.2 ; D107.B10 259.35,61.77 ; D107.B10 258.54,60.96 ; D107.B10 260.16,60.96 ; D107.B10 259.35,60.15 ; DPS3.C01 89.17,19.86 ; DPS3.C01 88.36,19.05 ; DPS3.C01 89.17,18.24 ; DPS3.C01 89.98,19.05 ; 248.38,101.6 D105.B6 ; D105.B6 249.19,102.41 ; D105.B6 249.19,100.79 ; D105.B6 250,101.6 ; 165.37,387.81 D116.B16 ; D116.B16 165.37,389.43 ; D116.B16 166.18,388.62 ; D116.B16 164.56,388.62 ; D109.B16 239.03,328.47 ; D109.B16 238.22,327.66 ; D109.B16 239.03,326.85 ; D109.B16 239.84,327.66 ; D111.B12 250,368.3 ; D111.B12 249.19,369.11 ; D111.B12 249.19,367.49 ; D111.B12 248.38,368.3 ; 264.43,95.71 D105.A12 ; D105.A12 263.62,96.52 ; D105.A12 265.24,96.52 ; D105.A12 264.43,97.33 ; D110.A16 239.03,353.87 ; D110.A16 239.84,353.06 ; D110.A16 239.03,352.25 ; D110.A16 238.22,353.06 ; D116.B11 178.07,391.97 ; D116.B11 178.07,390.35 ; D116.B11 178.88,391.16 ; D116.B11 177.26,391.16 ; D231.A3 51.88,375.92 ; D231.A3 50.26,375.92 ; D231.A3 51.07,376.73 ; D231.A3 51.07,375.11 ; D231.A14 23.13,374.19 ; D231.A14 23.94,373.38 ; D231.A14 22.32,373.38 ; D231.A14 23.13,372.57 ; D120.B15 51.07,38.91 ; D120.B15 50.26,38.1 ; D120.B15 51.88,38.1 ; D120.B15 51.07,37.29 ; 113.76,58.42 D123.B11 ; D123.B11 114.57,57.61 ; D123.B11 114.57,59.23 ; D123.B11 115.38,58.42 ; 27.4,35.56 D120.A6 ; D120.A6 28.21,34.75 ; D120.A6 28.21,36.37 ; D120.A6 29.02,35.56 ; 266.97,57.61 D107.B13 ; D107.B13 267.78,58.42 ; D107.B13 266.97,59.23 ; D107.B13 266.16,58.42 ; 93.44,396.24 D228.A15 ; D228.A15 94.25,395.43 ; D228.A15 94.25,397.05 ; D228.A15 95.06,396.24 ; 33.29,392.89 D232.A10 ; D232.A10 32.48,393.7 ; D232.A10 33.29,394.51 ; D232.A10 34.1,393.7 ; CSDPS426.C9 110.3,360.68 ; CSDPS426.C9 109.49,359.87 ; CSDPS426.C9 109.49,361.49 ; CSDPS426.C9 108.68,360.68 ; D112.A1 277.13,397.05 ; D112.A1 276.32,396.24 ; D112.A1 277.94,396.24 ; D112.A1 277.13,395.43 ; CSDPS425.C3 125.54,340.36 ; CSDPS425.C3 124.73,341.17 ; CSDPS425.C3 123.92,340.36 ; CSDPS425.C3 124.73,339.55 ; 162.02,73.66 D102.A1 ; D102.A1 162.83,72.85 ; D102.A1 162.83,74.47 ; D102.A1 163.64,73.66 ; 35.83,380.19 D431.B9 ; D431.B9 36.64,381 ; D431.B9 35.83,381.81 ; D431.B9 35.02,381 ; D112.B1 277.13,391.97 ; D112.B1 276.32,391.16 ; D112.B1 277.13,390.35 ; D112.B1 277.94,391.16 ; 40.1,340.36 CSDPS429.C7 ; CSDPS429.C7 40.91,341.17 ; CSDPS429.C7 41.72,340.36 ; CSDPS429.C7 40.91,339.55 ; 53.61,382.73 D431.A2 ; D431.A2 53.61,384.35 ; D431.A2 54.42,383.54 ; D431.A2 52.8,383.54 ; CSDPS229.C1 56.15,331.01 ; CSDPS229.C1 56.96,330.2 ; CSDPS229.C1 56.15,329.39 ; CSDPS229.C1 55.34,330.2 ; D232.B3 51.07,391.97 ; D232.B3 51.07,390.35 ; D232.B3 51.88,391.16 ; D232.B3 50.26,391.16 ; 261.08,350.52 D110.B7 ; D110.B7 261.89,351.33 ; D110.B7 262.7,350.52 ; D110.B7 261.89,349.71 ; D107.B7 251.73,59.23 ; D107.B7 252.54,58.42 ; D107.B7 250.92,58.42 ; D107.B7 251.73,57.61 ; D121.B14 122.19,102.41 ; D121.B14 121.38,101.6 ; D121.B14 123,101.6 ; D121.B14 122.19,100.79 ; 101.87,367.49 D227.B12 ; D227.B12 102.68,368.3 ; D227.B12 101.06,368.3 ; D227.B12 101.87,369.11 ; D427.B10 107.76,378.46 ; D427.B10 106.95,377.65 ; D427.B10 106.95,379.27 ; D427.B10 106.14,378.46 ; 239.03,75.39 D106.A2 ; D106.A2 239.03,77.01 ; D106.A2 238.22,76.2 ; D106.A2 239.84,76.2 ; D106.B11 261.89,79.55 ; D106.B11 261.89,77.93 ; D106.B11 262.7,78.74 ; D106.B11 261.08,78.74 ; 269.51,80.47 D106.B14 ; D106.B14 269.51,82.09 ; D106.B14 270.32,81.28 ; D106.B14 268.7,81.28 ; D103.A2 166.18,55.88 ; D103.A2 165.37,56.69 ; D103.A2 164.56,55.88 ; D103.A2 165.37,55.07 ; D121.A2 91.71,97.33 ; D121.A2 90.9,96.52 ; D121.A2 91.71,95.71 ; D121.A2 92.52,96.52 ; D113.B11 178.88,330.2 ; D113.B11 178.07,329.39 ; D113.B11 178.07,331.01 ; D113.B11 177.26,330.2 ; D113.A14 171.26,332.74 ; D113.A14 170.45,333.55 ; D113.A14 170.45,331.93 ; D113.A14 169.64,332.74 ; 40.1,386.08 D431.A7 ; D431.A7 40.91,385.27 ; D431.A7 41.72,386.08 ; D431.A7 40.91,386.89 ; D119.B14 49.34,60.96 ; D119.B14 48.53,61.77 ; D119.B14 47.72,60.96 ; D119.B14 48.53,60.15 ; 246.65,93.17 D105.A5 ; D105.A5 246.65,94.79 ; D105.A5 247.46,93.98 ; D105.A5 245.84,93.98 ; D113.B8 186.5,327.66 ; D113.B8 185.69,326.85 ; D113.B8 185.69,328.47 ; D113.B8 184.88,327.66 ; D109.B11 251.73,331.01 ; D109.B11 252.54,330.2 ; D109.B11 250.92,330.2 ; D109.B11 251.73,329.39 ; D120.A11 41.72,33.02 ; D120.A11 40.91,32.21 ; D120.A11 40.91,33.83 ; D120.A11 40.1,33.02 ; D431.A11 31.56,386.08 ; D431.A11 29.94,386.08 ; D431.A11 30.75,385.27 ; D431.A11 30.75,386.89 ; 172.99,334.47 D113.A13 ; D113.A13 172.18,335.28 ; D113.A13 172.99,336.09 ; D113.A13 173.8,335.28 ; D117.B10 39.18,101.6 ; D117.B10 37.56,101.6 ; D117.B10 38.37,102.41 ; D117.B10 38.37,100.79 ; UHC430.G2_5 46.34,363.7 ; UHC430.G2_5 44.72,363.7 ; UHC430.G2_5 45.53,362.89 ; UHC430.G2_5 45.53,364.51 ; D124.A8 106.95,36.37 ; D124.A8 107.76,35.56 ; D124.A8 106.95,34.75 ; D124.A8 106.14,35.56 ; 113.76,386.08 D427.A7 ; D427.A7 114.57,386.89 ; D427.A7 115.38,386.08 ; D427.A7 114.57,385.27 ; 91.71,397.97 D428.B16 ; D428.B16 90.9,398.78 ; D428.B16 91.71,399.59 ; D428.B16 92.52,398.78 ; 106.14,76.2 D122.A8 ; D122.A8 106.95,75.39 ; D122.A8 106.95,77.01 ; D122.A8 107.76,76.2 ; 20.59,375.11 D231.A15 ; D231.A15 19.78,375.92 ; D231.A15 20.59,376.73 ; D231.A15 21.4,375.92 ; 198.39,37.29 D104.B15 ; D104.B15 198.39,38.91 ; D104.B15 199.2,38.1 ; D104.B15 197.58,38.1 ; 253.46,81.28 D106.B8 ; D106.B8 254.27,82.09 ; D106.B8 255.08,81.28 ; D106.B8 254.27,80.47 ; 23.13,397.97 D432.B14 ; D432.B14 23.13,399.59 ; D432.B14 22.32,398.78 ; D432.B14 23.94,398.78 ; 240.76,58.42 D107.B3 ; D107.B3 242.38,58.42 ; D107.B3 241.57,57.61 ; D107.B3 241.57,59.23 ; D112.B4 270.32,388.62 ; D112.B4 268.7,388.62 ; D112.B4 269.51,389.43 ; D112.B4 269.51,387.81 ; UHC430.G2_4 48.64,363.7 ; UHC430.G2_4 47.83,364.51 ; UHC430.G2_4 47.02,363.7 ; UHC430.G2_4 47.83,362.89 ; 48.53,342.09 CSDPS429.B4 ; CSDPS429.B4 49.34,342.9 ; CSDPS429.B4 48.53,343.71 ; CSDPS429.B4 47.72,342.9 ; 27.4,342.9 CSDPS429.B12 ; CSDPS429.B12 28.21,342.09 ; CSDPS429.B12 28.21,343.71 ; CSDPS429.B12 29.02,342.9 ; D427.B6 117.92,378.46 ; D427.B6 117.11,377.65 ; D427.B6 117.11,379.27 ; D427.B6 116.3,378.46 ; D115.B13 172.99,371.65 ; D115.B13 172.99,370.03 ; D115.B13 173.8,370.84 ; D115.B13 172.18,370.84 ; 95.98,76.2 D122.A4 ; D122.A4 96.79,75.39 ; D122.A4 97.6,76.2 ; D122.A4 96.79,77.01 ; 42.64,40.64 D120.B12 ; D120.B12 43.45,39.83 ; D120.B12 44.26,40.64 ; D120.B12 43.45,41.45 ; 39.54,149.1 KS3.7 ; KS3.7 40.66,150.22 ; KS3.7 41.77,149.1 